# Altium PCB PowerMonitoring.PcbDoc
Units mm, origin at the board's own origin, x right, y up, seen from the top; angles counter-clockwise.
Board outline 65 x 87.98 mm, 2 copper layers (Top Layer, Bottom Layer); 65 components, 40 nets, 198 pads, 54 vias.
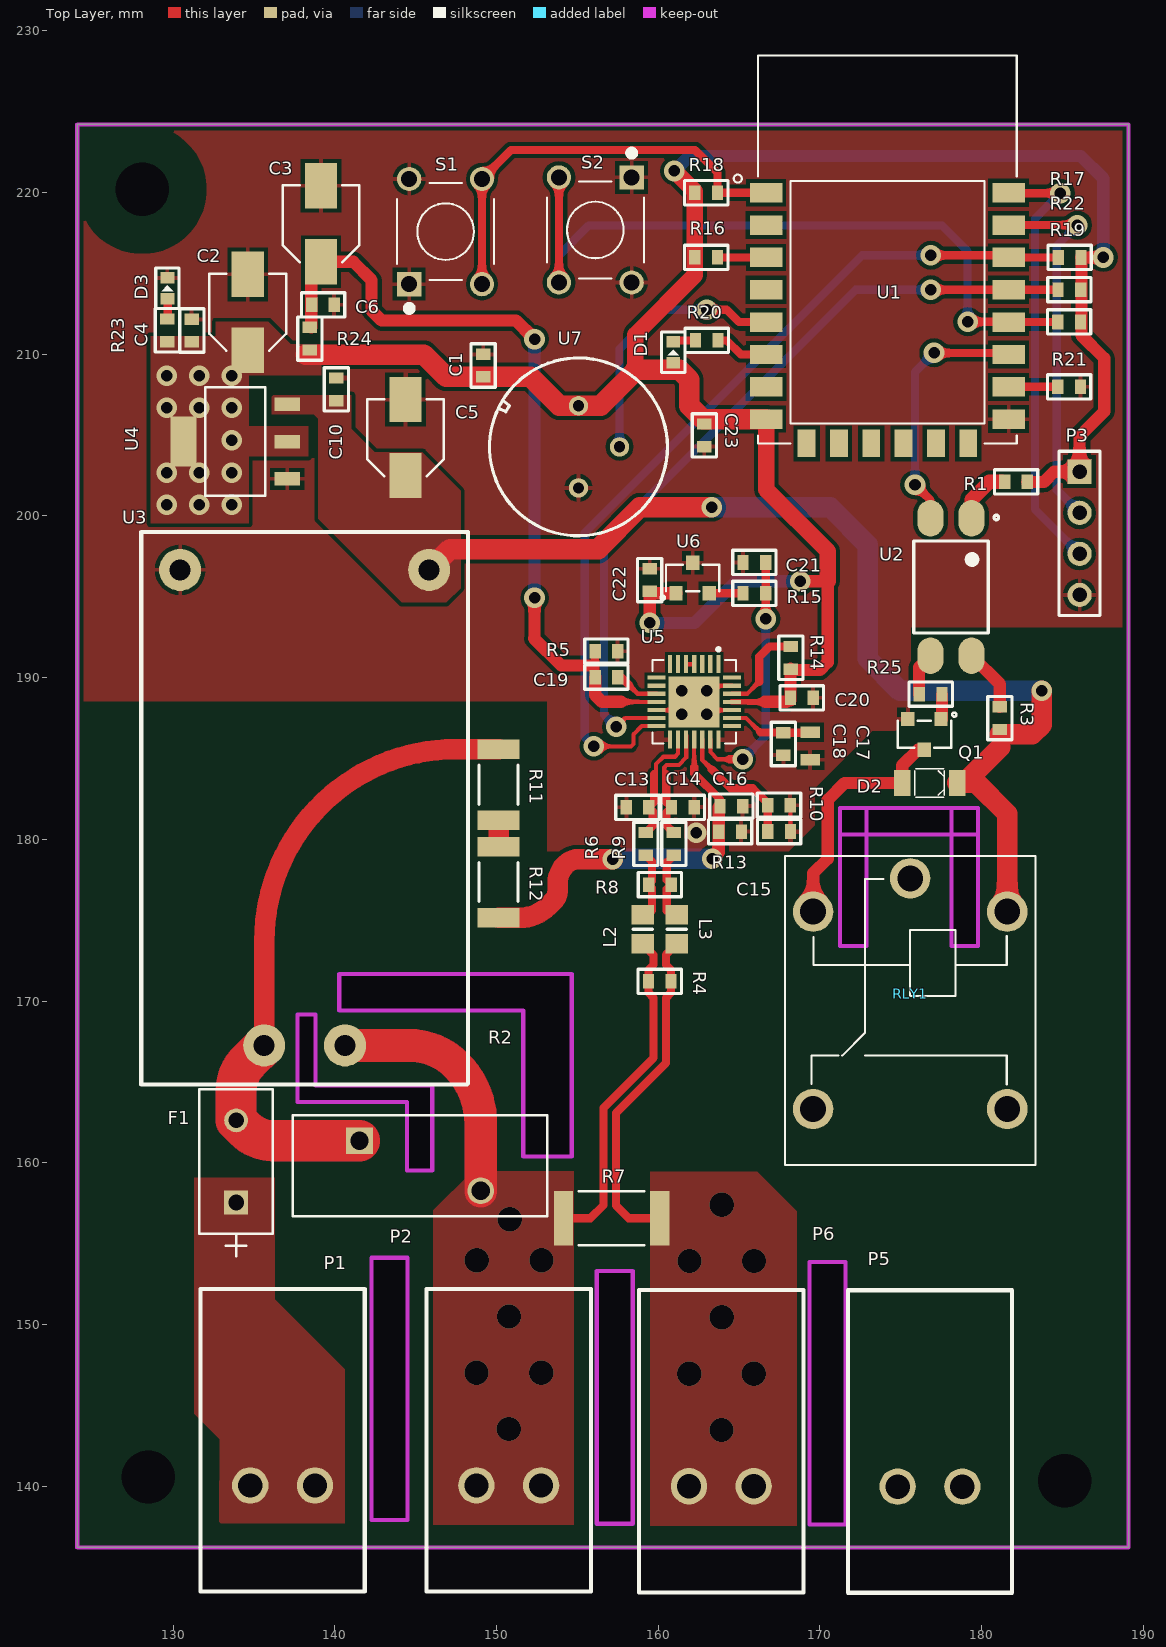
[diagram p0: Top Layer view]
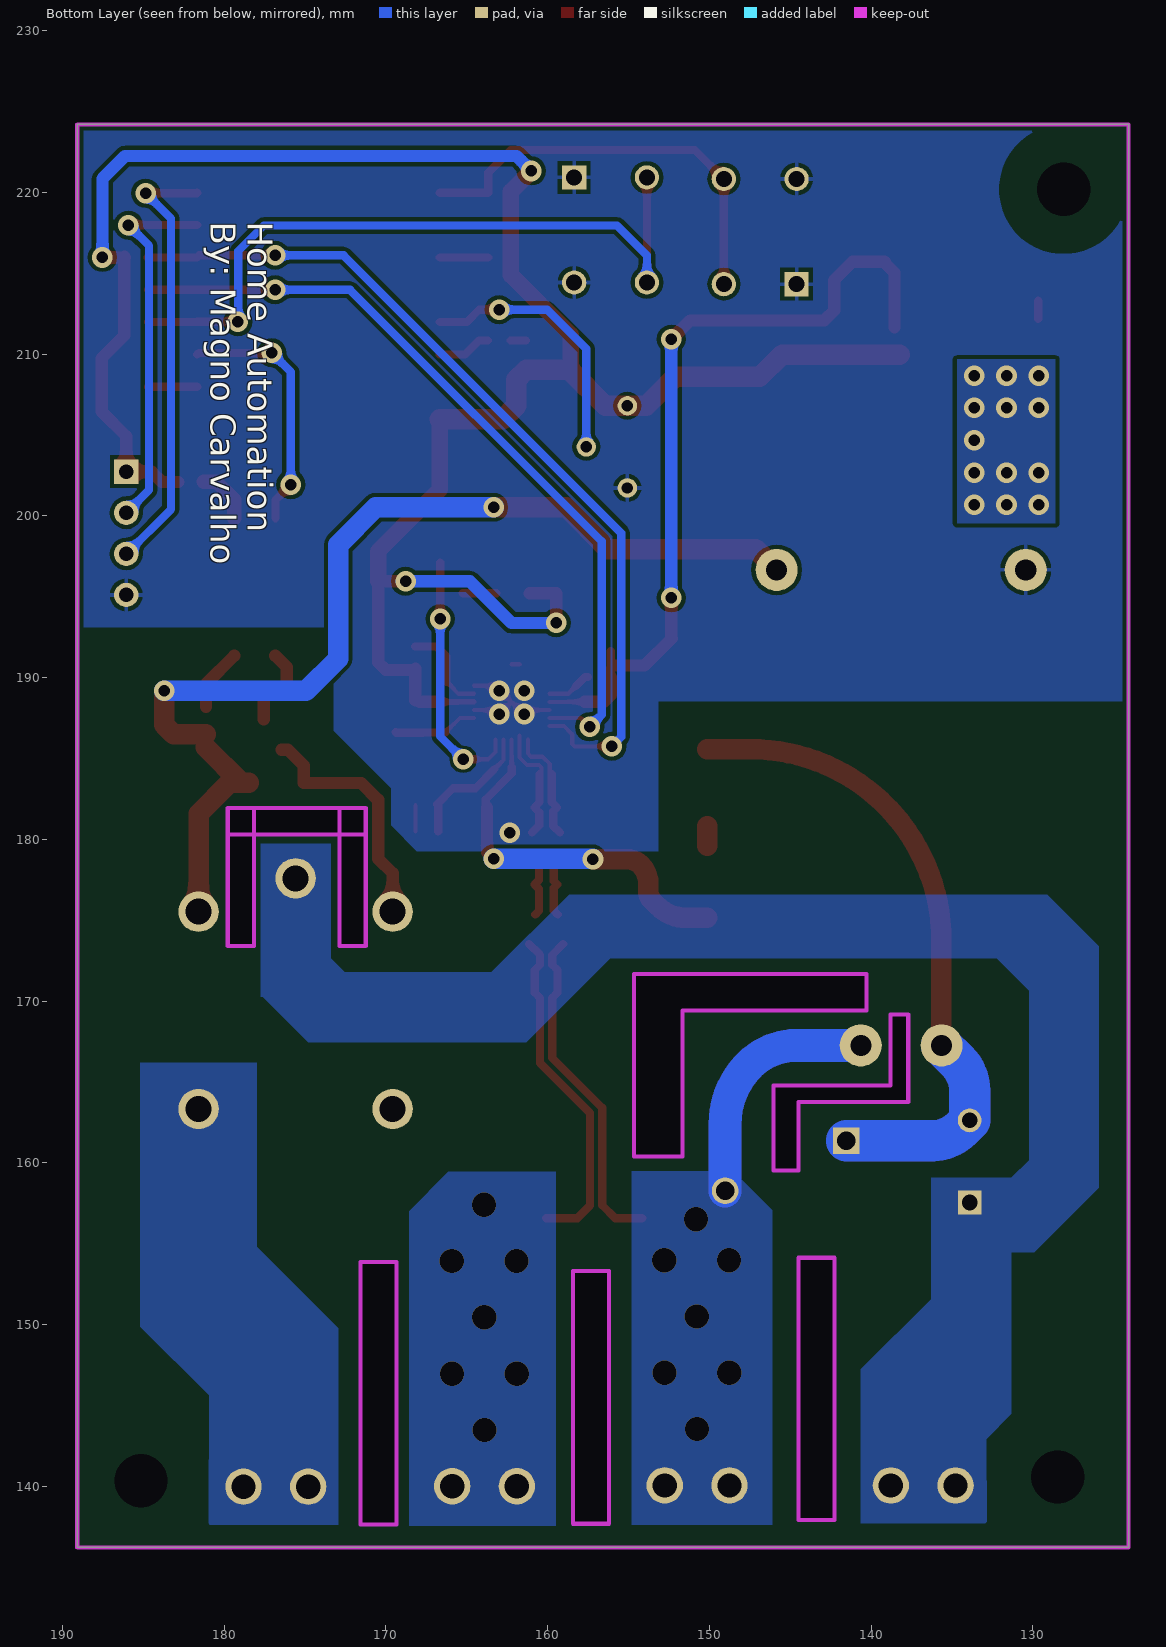
[diagram p1: Bottom Layer view, seen from below]
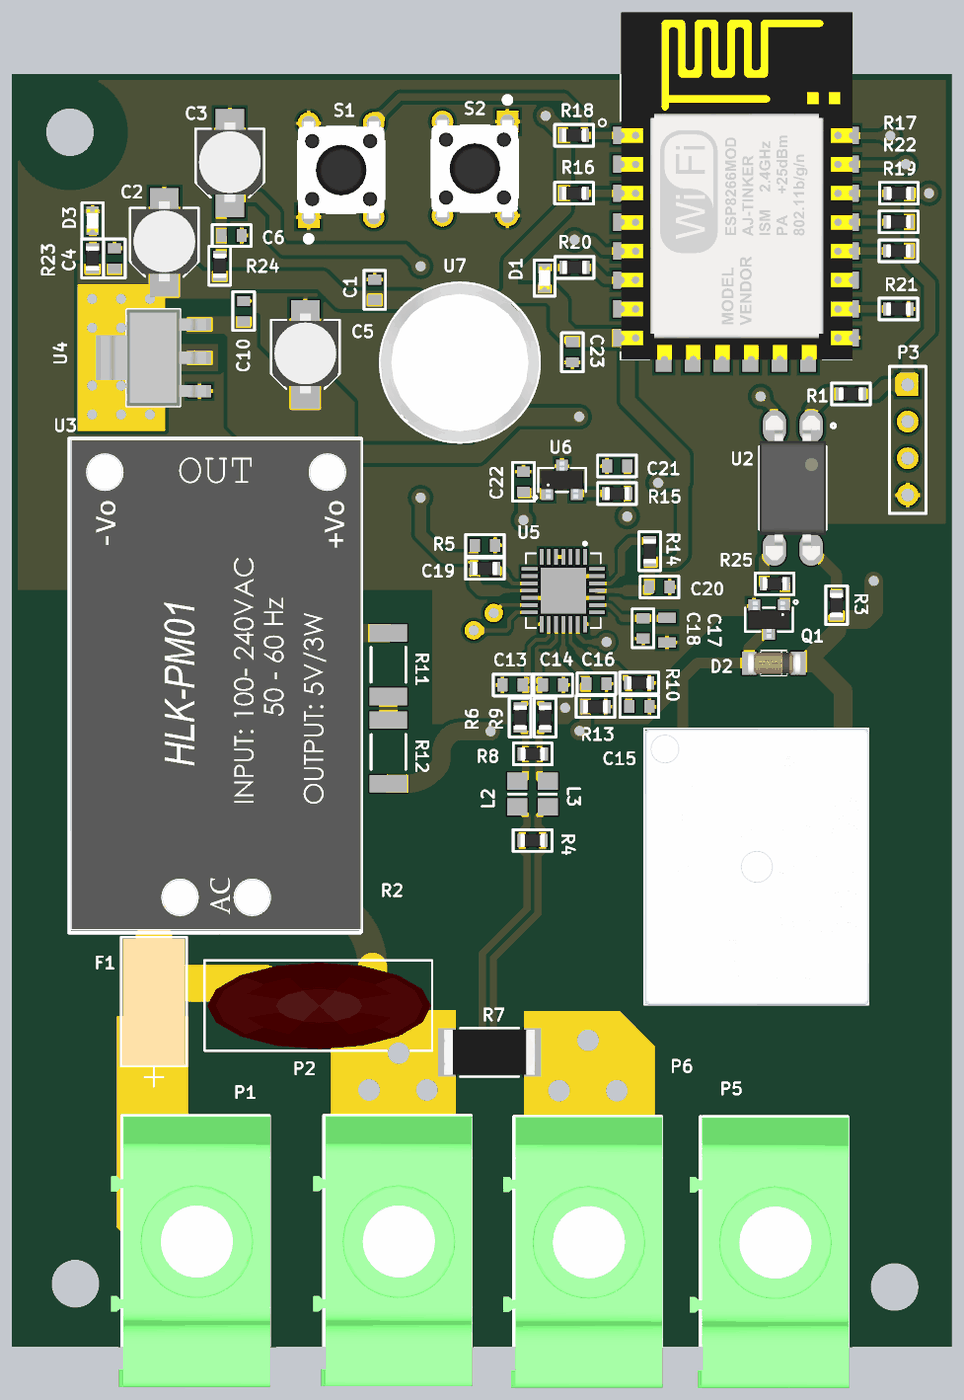
[diagram p2: 3D render of the assembled board from above, using the file's embedded part models]

## Layer stack, top to bottom
Top Solder: solder mask 0.0102, Solder Resist, Dk 3.5
Top Layer: signal copper 0.0356
Dielectric 1: dielectric 0.32, FR-4, Dk 4.8
Bottom Layer: signal copper 0.0356
Bottom Solder: solder mask 0.0102, Solder Resist, Dk 3.5

## Board outline
124.079,136.225 189.079,136.225 189.079,224.206 124.079,224.206
cut-out: 178.141,174.975 178.141,180.459 178.141,181.932 179.773,181.932 179.773,173.4 178.141,173.4
cut-out: 172.873,174.975 172.873,180.459 172.873,181.932 171.241,181.932 171.241,173.4 172.873,173.4
cut-out: 171.566,140.009 171.566,153.859 169.341,153.859 169.341,137.634 171.594,137.634
cut-out: 158.422,140.06 158.422,153.314 156.197,153.314 156.197,137.685 158.45,137.685
cut-out: 144.493,140.283 144.493,154.133 142.268,154.133 142.268,137.908 144.521,137.908
cut-out: 140.275,169.425 151.65,169.425 151.65,160.4 154.65,160.4 154.65,171.675 140.275,171.675
cut-out: 144.475,159.525 146.025,159.525 146.025,164.775 138.8,164.775 138.8,169.175 137.7,169.175 137.7,163.754 144.475,163.754
cut-out: 172.816,180.3 178.3,180.3 179.773,180.3 179.773,181.932 171.241,181.932 171.241,180.3

## Design rules (kind name [scope] priority, off if disabled: settings)
Clearance Clearance_Diff_Neutral [All vs InDifferentialPair('NEUTRAL')] p1: gap=0.2 ignorepadtopadclearanceinfootprint=FALSE
Clearance Clearance_Diff_I [All vs InDifferentialPair('I')] p2: gap=0.2 ignorepadtopadclearanceinfootprint=FALSE
Clearance Clearance_MCP [WithinRoom('MCP39f521')] p3: gap=0.2 ignorepadtopadclearanceinfootprint=FALSE
Clearance [All] p4: gap=0.254 ignorepadtopadclearanceinfootprint=FALSE
DiffPairsRouting [All] p1: maxlimit=0.254 minlimit=0.254 mostfreqgap=0.254 toplayer_minwidth=0.254 toplayer_maxwidth=0.508 toplayer_prefwidth=0.254 bottomlayer_minwidth=0.254 bottomlayer_maxwidth=0.508 bottomlayer_prefwidth=0.254 maxuncoupledlength=12.7
Height [All] p1: minheight=0 maxheight=40 prefheight=12.7
HoleSize [All] p1: absolutevalues=TRUE maxlimit=5 minlimit=0.5 maxpercent=80.000 minpercent=20.000
MinimumSolderMaskSliver [All] p1: minsoldermaskwidth=0.01
PolygonConnect PolygonConnect_Via [All vs IsVia] p1: connectstyle=Direct reliefconductorwidth=0.254 reliefentries=4 polygonreliefangle="90 Angle" airgapwidth=0.254
PolygonConnect PolygonConnect_GND [InNet('AGND')] p2: connectstyle=Relief reliefconductorwidth=0.254 reliefentries=4 polygonreliefangle="90 Angle" airgapwidth=0.254
PolygonConnect [All] p3: connectstyle=Direct reliefconductorwidth=0.254 reliefentries=4 polygonreliefangle="90 Angle" airgapwidth=0.254
RoomDefinition MCP39F521 [False] p1: confinementstyle=ConfineIn formatcopy=TRUE lockcomponents=FALSE outline 158.218,192.675 166.573,192.675 166.573,183.975 158.218,183.975
RoutingVias [All] p1: holewidth=0.711 width=1.27 viastyle="Through Hole" minholewidth=0.711 minwidth=1.27 maxholewidth=1.27 maxwidth=1.778
SilkToSolderMaskClearance [IsPad] p1: minsilkscreentomaskgap=0.1 clearancetoexposedcopper=TRUE
SolderMaskExpansion [All] p1: expansion=0.102
Width [All] p1: maxlimit=25.4 minlimit=0.254 preferedwidth=0.254 minimp=50.000000 maximp=50.000000 favimp=50.000000
25 further rules are at their usual default settings.

## Classes and differential pairs
net class DIFF_NOISE: I_N I_P NEUTRAL_N NEUTRAL_P
component class PowerSupply: C2 C3 C4 C5 C6 C10 D2 F1 P1 P2 P5 P6 Q1 R1 R2 R3 R24 R25 RLY1 U2 U3 U4
component class Meter: C1 C13 C14 C15 C16 C17 C18 C19 C20 C21 C22 L2 L3 R4 R5 R6 R7 R8 R9 R10 R11 R12 R13 R14 R15 U5 U6 U7
component class CoreProcessor: C23 D1 D3 P3 R16 R17 R18 R19 R20 R21 R22 R23 S1 S2 U1
differential pair NEUTRAL: +NEUTRAL_P -NEUTRAL_N
differential pair I: +I_P -I_N

## Components (designator, comment, footprint, x,y, rotation, side; value= is the part's Value field where it differs from the comment)
C1 "MUDAR FOOTPRINT" C0603 149.174,209.296 r270 top value=0.1uF
C2 "Cap Pol1" EEE-1VA100WR 134.62,212.649 r90 top value=10uF
C3 "Cap Pol1" EEE-1VA100WR 139.15,218.125 r90 top value=10uF
C4 "MUDAR FOOTPRINT" C0603 131.165,211.464 r270 top value=0.1uF
C5 "Cap Pol1" EEE-1VA100WR 144.374,204.902 r90 top value=10uF
C6 "MUDAR FOOTPRINT" C0603 139.277,213.05 r180 top value=0.1uF
C10 "MUDAR FOOTPRINT" C0603 140.1,207.825 r270 top value=0.1uF
C13 "MUDAR FOOTPRINT" C0603 158.718,181.975 r0 top value=33nF
C14 "MUDAR FOOTPRINT" C0603 161.518,181.975 r0 top value=33nF
C15 "MUDAR FOOTPRINT" C0603 167.477,180.484 r180 top value=33nF
C16 "MUDAR FOOTPRINT" C0603 164.519,182.056 r180 top value=33nF
C17 "MUDAR FOOTPRINT" C0805 169.395,185.768 r90 top value=10uF
C18 "MUDAR FOOTPRINT" C0603 167.739,185.895 r90 top value=0.1uF
C19 "MUDAR FOOTPRINT" C0603 156.798,191.632 r180 top value=0.1uF
C20 "MUDAR FOOTPRINT" C0603 168.875,188.75 r180 top value=0.1uF
C21 "MUDAR FOOTPRINT" C0603 165.942,197.118 r0 top value=0.1uF
C22 "MUDAR FOOTPRINT" C0603 159.465,196.032 r270 top value=0.1uF
C23 "MUDAR FOOTPRINT" C0603 162.85,204.978 r90 top value=0.1uF
D1 "USER_INTERFACE_LED" LED0603 160.925,210.111 r180 top
D2 "LL4148" LL4148 176.781,183.487 r180 top
D3 "3V3_POWER_LED" LED0603 129.65,214.075 r180 top
F1 "RSTA 1 AMMO" RSTA 133.9,162.625 r90 top
L2 "FERRITE BEAD" 6-0805_N 159.033,174.436 r90 top value=10mH
L3 "FERRITE BEAD" 6-0805_N 161.141,174.436 r90 top value=10mH
P1 "System_Supply_Line" 1993763 131.695,152.19 r0 top
P2 "SYSTEM_NEUTRAL" 1993763 145.676,152.196 r0 top
P3 "PROG_HEADER" HDR1X4 186.05,202.73 r270 top
P5 "CONT_LINE" 1993763 171.723,152.119 r0 top
P6 "LOAD_NEUTRAL" 1993763 158.82,152.145 r0 top
Q1 "MMBT3904" SOT-233 176.45,186.496 r270 top
R1 "Res3" R0603 182.125,202.1 r0 top value=330R
R2 "ERZ-V14D431" VARISTOR 149.022,158.267 r0 top value=V14E275P
R3 "Res3" R0603 181.124,187.496 r90 top value=4K7
R4 "Res3" R0603 160.093,171.225 r0 top value=6R
R5 "Res3" R0603 156.798,190.032 r0 top value=4.7K
R6 "Res3" R0603 159.236,179.719 r270 top value=1K
R7 "SHUNT" RES2512 157.118,156.575 r180 top value=1K
R8 "Res3" R0603 160.105,177.205 r180 top value=2.49R
R9 "Res3" R0603 160.963,179.719 r270 top value=1K
R10 "Res3" R0603 167.464,182.11 r0 top value=1K
R11 "Res3" 12Z-2010 150.125,183.375 r90 top value=499K
R12 "Res3" 12Z-2010 150.125,177.35 r90 top value=499K
R13 "Res3" R0603 164.443,180.483 r0 top value=1K
R14 "Res3" R0603 168.2,191.225 r270 top value=4.7K
R15 "Res3" R0603 165.942,195.214 r0 top value=100R
R16 "Res3" R0603 162.966,215.979 r0 top value=10K
R17 "Res3" R0603 185.433,215.976 r0 top value=2.1K
R18 "Res3" R0603 162.966,219.979 r180 top value=10K
R19 "Res3" R0603 185.408,211.988 r0 top value=10K
R20 "Res3" R0603 163,210.85 r180 top value=470R
R21 "Res3" R0603 185.408,207.975 r0 top value=10K
R22 "Res3" R0603 185.42,213.995 r0 top value=2.1K
R23 "Res3" R0603 129.65,211.475 r270 top value=470R
R24 "Res3" R0603 138.455,210.961 r90 top value=33R
R25 "Res3" R0603 176.847,188.976 r0 top value=1K
RLY1 "SRD-05VDC-SL-C" SRD-05VDC 175.578,169.428 r270 top
S1 "FSM8JH" SW_FSM8JH 146.852,217.578 r90 top
S2 "FSM8JH" SW_FSM8JH 156.108,217.678 r270 top
U1 "ESP-12F" XCVR_ESP8266-12E/ESP-12E 174.168,212.979 r0 top
U2 "PC817" SOT254P975X400-4N 178.102,195.603 r270 top
U3 "HLK-PM01" HLK-PM01 138.136,167.259 r90 top
U4 "LM1117MP-3.3" LM1117 133.858,204.597 r180 top
U5 "MCP39F521" MCP39F521 162.22,188.5 r270 top
U6 "MCP9700T-E/TT" SOT-233 162.132,196.159 r90 top
U7 "EKMC1601111" EKMC1601111 155.067,204.267 r90 top

## Footprints (in the part's own frame and the unit in brackets; to place one, negate y for a bottom-side part, rotate by r counter-clockwise, add the part's x,y. Pads: shape width x height; smd on the part's side, far side on the other; paste and mask are expansions set on the pad)
6-0805_N [mm] "Chip Resistor, Body 2.0x1.2mm, IPC Medium Density"
  rect 1.2x1.4 smd: 1(-0.9,0) 2(0.9,0)
  silkscreen extent 0,-0.6 0,0.6, body extent -1.07,-0.7 1.07,0.7, height 0.7
12Z-2010 [mm] "Chip Resistor, Body 5.0x2.5mm, IPC High Density"
  rect 1.2x2.6 smd: 1(-2.2,0) 2(2.2,0)
  silkscreen extent -1.2,-1.2 1.2,1.2, body extent -2.58,-1.33 2.58,1.33, height 0.9
1993763 [mm]
  round 2.25 hole 1.5: 1(3.08,-12.14) 2(7.08,-12.14)
  silkscreen extent 0,-18.7 10.16,0, body extent -0.76,-18.75 10.25,-0.05, height 31.25
C0603 [mm]
  rect 0.7x0.9 smd: 1(-0.7,0) 2(0.7,0)
  Top Layer pour cut-out: 0.356,-0.711 -0.356,-0.711 -0.356,0.711 0.356,0.711
  silkscreen extent -1.34,-0.75 1.34,0.75, body extent -0.87,-0.47 0.88,0.48, height 1
C0805 [mm]
  rect 0.7x1.2 smd: 1(-0.85,0) 2(0.85,0)
EEE-1VA100WR [mil] "CAP_LM1117"
  rect 110x78 smd: 1(-95,0) 2(90,0)
  silkscreen extent -96,-94 91,94, body extent -108,-88 109,89, height 219
EKMC1601111 [mm]
  round 1.2 hole 0.7: 1(2.54,0) 2(0,-2.54) 3(-2.54,0)
  silkscreen extent -5.5,-5.5 5.5,5.5, body extent -7.77,-7.77 7.77,7.77, height 14.4
HDR1X4 [mm] "Connector; Header; 4 Position"
  rect 1.5x1.5 hole 0.9: 1(0,0)
  round 1.5 hole 0.9: 2(2.54,0) 3(5.08,0) 4(7.62,0)
  silkscreen extent -1.27,-1.27 8.89,1.27
HLK-PM01 [mm] "5V/3W POWER SUPPLY"
  round 2.6 hole 1.3: 1(0,2.5) 2(0,-2.5) 3(29.4,7.7) 4(29.4,-7.7)
  silkscreen extent -2.41,-10.1 31.75,10.1, body extent -2.27,-10.17 31.73,10.03, height 15.12
LED0603 [mm]
  rect 0.85x0.7 smd mask+0.05: 1(0,-0.65) 2(0,0.65)
  Top Layer pour cut-out: 0.711,0.356 0.711,-0.356 -0.711,-0.356 -0.711,0.356
  silkscreen extent -0.72,-2.15 0.92,1.25, body extent -0.39,-0.8 0.39,0.8, height 0.7
LL4148 [mil]
  rect 40x63 smd: 1(67,0) 2(-67,0)
  silkscreen extent -36,-35 36,35, body extent -74,-31 72,32, height 63
LM1117 [mil] "SOT230P696X180-4N"
  rect 63x33 smd: 1(-126,91) 2(-126,0) 3(-126,-91)
  rect 63x122 smd: 4(126,0)
  silkscreen extent -73,-132 73,132, body extent -144,-132 144,132, height 67
MCP39F521 [mm] "QFN50P500X500X100-29N"
  rect 1.11x0.26 smd: 1(-2.33,1.5) 2(-2.33,1) 3(-2.33,0.5) 4(-2.33,0) 5(-2.33,-0.5) 6(-2.33,-1) 7(-2.33,-1.5) 15(2.33,-1.5) 16(2.33,-1) 17(2.33,-0.5) 18(2.33,0) 19(2.33,0.5) 20(2.33,1) 21(2.33,1.5)
  rect 0.26x1.11 smd: 8(-1.5,-2.33) 9(-1,-2.33) 10(-0.5,-2.33) 11(0,-2.33) 12(0.5,-2.33) 13(1,-2.33) 14(1.5,-2.33) 22(1.5,2.33) 23(1,2.33) 24(0.5,2.33) 25(0,2.33) 26(-0.5,2.33) 27(-1,2.33) 28(-1.5,2.33)
  rect 3.15x3.15 smd: 29(0,0)
  silkscreen extent -3.35,-2.58 2.58,2.58, body extent -2.58,-2.58 2.58,2.58, height 0.9
R0603 [mm]
  rect 0.7x0.9 smd: 1(-0.7,0) 2(0.7,0)
  Top Layer pour cut-out: -0.356,0.711 0.356,0.711 0.356,-0.711 -0.356,-0.711
  silkscreen extent -1.34,-0.75 1.34,0.75, body extent -0.85,-0.47 0.85,0.47, height 0.6
RES2512 [mil]
  rect 47x132 smd: 1(-117,0) 2(117,0)
  silkscreen extent -80,-66 80,66, body extent -124,-61 124,61, height 22
RSTA [mil]
  rect 58x58 hole 38 mask-1000: 1(-200,0)
  round 58 hole 38 mask-1000: 2(0,0)
  silkscreen extent -330,-90 76,90, body extent -271,-84 71,84, height 319
SOT254P975X400-4N [mm]
  oval 2.25x1.6 smd: 1(-4.25,1.27) 2(-4.25,-1.27) 3(4.25,-1.27) 4(4.25,1.27)
  silkscreen extent -4.44,-2.3 2.85,2.94, body extent -5,-2.29 5,2.29, height 3.83
SOT-233 [mil] "SOT95P237X112-3N"
  rect 35x32 smd: 1(-37.21,40.35) 2(-37.21,-40.35) 3(37.2,0)
  silkscreen extent -53,-65 33,78, body extent -51,-57 51,57, height 39
SRD-05VDC [mm]
  round 2.5 hole 1.6: 1(-6.1,6) 2(-8.162,0) 3(-6.1,-6) 4(6.1,6) 5(6.1,-6)
  silkscreen extent -9.55,-7.75 9.55,7.75, body extent -9.52,-7.71 9.58,7.79, height 15.4
SW_FSM8JH [mm]
  rect 1.498x1.498 hole 0.99: 1(-3.25,2.25)
  round 1.498 hole 0.99: 2(3.25,2.25) 3(-3.25,-2.25) 4(3.25,-2.25)
  silkscreen extent -4.95,-3 3,3, body extent -3.9,-2.99 3.9,3, height 9.5
VARISTOR [mil] "RES_ERZV14_155X6"
  rect 65x65 hole 45 mask-1000: 1(-295,122)
  round 65 hole 45 mask-1000: 2(0,0)
  silkscreen extent -458,-62 162,184, body extent -450,-58 160,178, height 728
XCVR_ESP8266-12E/ESP-12E [mm]
  rect 2x1.2 smd: 1(-7.5,7) 2(-7.5,5) 3(-7.5,3) 4(-7.5,1) 5(-7.5,-1) 6(-7.5,-3) 7(-7.5,-5) 8(-7.5,-7) 15(7.5,-7) 16(7.5,-5) 17(7.5,-3) 18(7.5,-1) 19(7.5,1) 20(7.5,3) 21(7.5,5) 22(7.5,7)
  rect 1.1x1.7 smd: 9(-5,-8.5) 10(-3,-8.5) 11(-1,-8.5) 12(1,-8.5) 13(3,-8.5) 14(5,-8.5)
  silkscreen extent -9.5,-8.5 8,15.5, body extent -7.95,-8.51 8.06,15.49, height 2.65

## Part data
C1 C4 C6 C10 C13 C14 C15 C16 C17 C18 C19 C20 C21 C22 C23: library part "Cap Semi", "Capacitor (Semiconductor SIM Model)", LatestRevisionDate=29-May-2009, LatestRevisionNote="IPC-7351 Footprint Added.", PackageDescription="Chip Capacitor", PackageReference=C1206, Published=8-Jun-2000, Publisher="Altium Limited"
C2 C3 C5: "Polarized Capacitor (Radial)", LatestRevisionDate=17-Jul-2002, LatestRevisionNote="Re-released for DXP Platform.", PackageDescription="Polarized Capacitor (Radial); 2 Leads", PackageReference=RB7.6-15, Published=8-Jun-2000, Publisher="Altium Limited"
D1 D3: library part LED0, "Typical INFRARED GaAs LED", LatestRevisionDate=08-Jul-2005, LatestRevisionNote="Mech Layer 1 removed.", PackageDescription="LED; 2 Leads", PackageReference=LED-0, Published=8-Jun-2000, Publisher="Altium Limited"
D2: library part Diode, "Default Diode", Code_JEDEC=DO-214-AB, LatestRevisionDate=17-Jul-2002, LatestRevisionNote="Re-released for DXP Platform.", PackageDescription="DO-214-AB/SMC; 2 C-Bend Leads; Body 7.9 x 5.9 mm, inc. leads (LxW)", PackageReference=SMC, PackageVersion=Sep-1996, Published=8-Jun-2000, Publisher="Altium Limited"
L2 L3: library part "Inductor Iron", "Magnetic-Core Inductor", Supplier Part Number 1=240-2384-6-ND, LatestRevisionDate=17-Jul-2002, LatestRevisionNote="Re-released for DXP Platform.", PackageDescription="Axial Device, Thru-Hole; 2 Leads; 0.9 in Pin Spacing", PackageReference=AXIAL-0.9, Published=24-Mar-1999, Publisher="Altium Limited", Supplier 1=Digi-Key
P1 P2 P5 P6: library part "Header 2", "Header, 2-Pin", LatestRevisionDate=17-Jul-2002, LatestRevisionNote="Re-released for DXP Platform.", Publisher="Altium Limited"
P3: library part "Header 4", "Header, 4-Pin", LatestRevisionDate=17-Jul-2002, LatestRevisionNote="Re-released for DXP Platform.", Publisher="Altium Limited"
Q1: library part NPN, "NPN Bipolar Transistor", Code_JEDEC=TO-226-AA, LatestRevisionDate=17-Jul-2002, LatestRevisionNote="Re-released for DXP Platform.", PackageDescription="TO, Flat Index; 3 In-Line, Axial Leads; Body Dia. 4.8mm; Leads 0.55 x 0.51 mm (max)", PackageReference=TO-226-AA, Published=8-Jun-2000, Publisher="Altium Limited"
R1 R3 R4 R5 R6 R8 R9 R10 R11 R12 R13 R14 R15 R16 R17 R18 R19 R20 R21 R22 R23 R24 R25: "Resistor", LatestRevisionDate=29-May-2009, LatestRevisionNote="IPC-7351 Footprint Added.", PackageDescription="Chip Resistor", PackageReference=J1-0603, Published=8-Jun-2000, Publisher="Altium Limited"
R7: library part Res3, "Resistor", Supplier Part Number 1=CSNL2512FT2L00DKR-ND, LatestRevisionDate=29-May-2009, LatestRevisionNote="IPC-7351 Footprint Added.", PackageDescription="Chip Resistor", PackageReference=J1-0603, Published=8-Jun-2000, Publisher="Altium Limited", Supplier 1=Digi-Key
RLY1: "5V Trigger Relay Module For Arduino And Raspberry Pi 5V Trigger Relay Module For Arduino And Raspberry Pi", Package=None, Availability=Unavailable, MF="MCM Electronics", MP=SRD-05VDC-SL-C, Price=None, SnapEDA_Link=https://www.snapeda.com/parts/SRD-05VDC-SL-C/MCM%20Electronics/view-part/?ref=snap
S1 S2: library part BUTTON, "Switch, Pushbutton, Tactile, SPST, Thru Hole, Vertical, 6MM, Black", Package=None, Availability=Good, MF="TE Connectivity / Alcoswitch", MP=FSM8JH, Price="0.07 USD", SnapEDA_Link=https://www.snapeda.com/parts/FSM8JH/TE%2520Connectivity%2520/%2520Alcoswitch/view-part/?ref=snap
U2: library part Optoisolator1, "4-Pin Phototransistor Optocoupler", DatasheetVersion=Nov-2003, LatestRevisionDate=04-Mar-2005, LatestRevisionNote="Sch pins 3 & 4 Swapped.", PackageReference=DIP-4, Published=24-Mar-1999, Publisher="Altium Limited"
U4: "LDO Regulator Pos 3.3V 0.8A 4-Pin_3+Tab_ SOT-223 T/R", Package="SOT-223 Texas Instruments", Availability=Good, MF="Texas Instruments", MP=LM1117MP-3.3, Price="0.62 USD", SnapEDA_Link=https://www.snapeda.com/parts/LM1117MP-3.3/Texas%20Instruments/view-part/?ref=snap
U5: Supplier Part Number 1=MCP39F521-E/MQ-ND, Supplier 1=Digi-Key
U6: "MCP9700 Series 5 V -40 to +125°C Low-Power Linear Active Thermistor", Package="SOT-23-3 Microchip", Availability=Unavailable, MF=Microchip, MP=MCP9700T-E/TT, Price=None, SnapEDA_Link=https://www.snapeda.com/parts/MCP9700T-E/TT/Microchip/view-part/?ref=snap
U7: "Board Mount Motion & Position Sensors Digital 170uA 5m White", Manufacturer_Name=Panasonic, RS Part Number=1357095, Arrow Part Number=EKMC1601111, Arrow Price/Stock=https://www.arrow.com/en/products/ekmc1601111/panasonic, Datasheet Link=http://www3.panasonic.biz/ac/e/search_num/index.jsp?c=detail&part_no=EKMC1601111, Manufacturer_Part_Number=EKMC1601111, RS Price/Stock=http://uk.rs-online.com/web/p/products/1357095
F1: Built_By=EMA_UL_Team, Manufacturer_Part_Number="RSTA 1 AMMO", Vendor=BelFuse
R2: Built_By=EMA_UL_Team, C="Copyright (C) 2015 Accelerated Designs. All rights reserved", Manufacturer_Part_Number=ERZ-V14D431, Vendor=Panasonic

## Free pads (board coordinates)
  round 3 hole 3.3 unplated: M3(128.092,220.193) M3(128.468,140.575) M3(185.143,140.35)

## Via types
v1: diameter 1.27, hole 0.711, Top Layer to Bottom Layer, tented both sides, 38 vias
v2: diameter 1.5, hole 1.5, Top Layer to Bottom Layer, 14 vias
v3: diameter 1.27, hole 0.711, Top Layer to Bottom Layer, 2 vias

## Nets (pads, with @x,y where several pads share a name; then routed paths per layer and width w, separated by ;. In a path a pad name is that pad's centre, name@x,y a point inside that pad or via, vN(x,y) a via of type N, cw(c..) or ccw(c..) an arc to the next point about the centre after c; other vN are vias at no path point)
+3.3: C1.2 C2.1 C4.2 C20.2 C22.2 C23.2 D1.2 P3.1 R1.2 R14.2 R16.1 R17.2 R18.2 R19.2 R22.2 R23.2 R24.1 U1.8 U4.2 U4.4 U5.25 U6.1 U7.1 | length 142.1
  Top Layer w0.33: U5.25 166.6,188.5
  Top Layer w0.508: 170.45,195.95 170.475,195.975
  Top Layer w0.762: v1(159.465,193.381) 159.465,195.214 U6.1 ; R18.2 R18.2@162.266,220.059 ; 166.6,188.5 167.925,188.5 C20.2 ; C20.2@168.182,188.588 R14.2@168.182,190.544 ; R14.2@168.2,190.475 170,190.475 170.475,190.95 170.475,195.975 ; v1(168.782,195.95) 170.45,195.95 ; R1.2 183.85,202.1 184.48,202.73 P3.1@186,202.73 ; P3.1 186.05,204.925 187.575,206.45 187.575,209.75 186.175,211.15 186.175,213.995 R17.2@186.175,215.976 ; R17.2 R17.2@186.175,215.976 ; R17.2@186.175,216.025 R17.2@186.175,215.976 ; v1(187.522,215.976) R17.2@186.175,215.976
  Top Layer w1.016: 158.575,209.038 158.575,211.2 162.266,214.891 R16.1 R18.2 ; v1(161,221.325) R18.2@162.266,220.059 ; U1.8 166.668,201.632 170.475,197.825 170.475,195.975
  Top Layer w1.27: R24.1@138.219,209.975 145.5,209.975 146.879,208.596 C1.2 152.104,208.596 153.893,206.807 U7.1 156.432,206.807 158.65,209.025 161.2,209.025 ; 158.575,209.038 161.315,209.038 161.925,208.429 161.925,206.825 162.771,205.979 U1.8
  Bottom Layer w0.762: v1(159.465,193.381) 162.231,193.381 164.8,195.95 v1(168.782,195.95) v1@169.025,195.95 ; v1(161,221.325) 161.925,222.25 186.125,222.25 187.522,220.853 v1(187.522,215.976)
  other v1: 129.625,200.675 131.625,200.675 133.625,200.675 129.625,202.675 131.625,202.675 133.625,202.675 133.625,204.675 129.625,206.675 131.625,206.675 133.625,206.675 129.625,208.675 131.625,208.675 133.625,208.675
+3.3A: C3.1 C6.2 C19.2 R5.1 R24.2 U5.11 | length 50.4
  Top Layer w0.254: 157.693,188.5 U5.11
  Top Layer w0.508: R5.1 C19.2
  Top Layer w0.762: C6.2@138.55,212.7 138.55,215.029 C3.1@139.233,215.712 ; R24.2@138.555,211.661 C6.2@138.555,213 ; C3.1 C3.1@139.233,215.712 ; v1(152.35,194.925) 152.35,192.45 152.325,192.425 154,190.75 155.925,190.75 ; v1(152.35,210.925) 151.2,212.075 142.9,212.075 142.275,212.7 142.275,214.575 141.138,215.712 C3.1@139.233,215.712 ; R5.1 156.098,188.927 156.525,188.5 157.693,188.5
  Bottom Layer w0.762: v1(152.35,194.925) v1(152.35,210.925)
+5: C5.1 C10.2 D2.2 R3.1 RLY1.1 U3.4 U4.3 | length 66.3
  Top Layer w1.27: U3.4 147.127,197.95 156.281,197.95 158.856,200.525 v1(163.316,200.525) ; D2.2 D2.2@178.93,183.487 ; R3.1@181.124,186.5 183.125,186.5 183.7,187.075 v1(183.7,189.175) ; 181.143,185.7 D2.2@178.93,183.487 ; RLY1.1 181.578,181.59 179.681,183.487 D2.2@178.93,183.487
  Bottom Layer w1.27: v1(163.316,200.525) 170.625,200.525 172.95,198.2 172.95,191.175 174.95,189.175 v1(183.7,189.175)
AGND: C1.1 C2.2 C3.2 C4.1 C5.2 C6.1 C10.1 C13.1 C14.2 C15.1 C16.1 C17.1 C18.1 C19.1 C20.1 C21.1 C22.1 C23.1 D3.1 P3.4 Q1.2 R10.2 R13.2 R21.2 S1.1 S1.2 S2.1 S2.2 U1.15 U3.3 U4.1 U5.12 U5.15 U5.21 U5.24 U5.27 U5.29 U6.3 U7.3 | length 9.5
  Top Layer w0.254: U5.12 161.72,188 U5.29 ; U5.24 162.72,188 U5.29 ; U5.27 163.22,189.5 U5.29 ; R10.2 168.177,182.11 C15.1
  other v1: 162.35,180.4 161.45,187.75 163,187.75 161.45,189.2 163,189.2
CH_EN: R16.2 U1.3 | length 3
  Top Layer w0.508: R16.2 U1.3
COMMON_A: U5.4 U5.5 | length 0.5
  Top Layer w0.254: U5.5 U5.4
Contactor_Control_Line: P5.1 P5.2 RLY1.4
I_N: C14.1 R9.1 U5.17 | length 7.5
  Top Layer w0.254: 160.499,184.025 160.372,184.152 160.372,184.45 160.522,184.6 161.278,184.6 161.728,185.05 U5.17@161.728,186.42
  Top Layer w0.508: 160.499,184.025 160.499,182.294 C14.1 160.518,181.675 160.518,180.865 R9.1
I_P: C13.2 R6.1 U5.16 | length 7.2
  Top Layer w0.254: 159.737,184.025 159.864,184.152 159.864,184.66 160.311,185.108 161.028,185.108 161.22,185.3 U5.16
  Top Layer w0.508: R6.1 159.655,180.838 159.655,181.737 C13.2 159.737,182.294 159.737,184.025
MOTION_SENS: U1.5 U7.2 | length 16.4
  Top Layer w0.508: v1(163,212.75) 164.225,212.75 164.996,211.979 U1.5
  Bottom Layer w0.508: U7.2 157.607,210.332 160.025,212.75 v1(163,212.75)
NetC15_2: C15.2 R10.1 U5.19 | length 8.1
  Top Layer w0.254: U5.19 162.72,184.905 163.313,184.313
  Top Layer w0.508: 163.313,184.313 164.465,183.16 165.84,183.16 166.816,182.185 R10.1@166.816,182.161 ; R10.1 166.764,180.484 C15.2
NetC16_2: C16.2 R12.1 R13.1 U5.18 | length 23.5
  Top Layer w0.254: 162.22,184.48 U5.18
  Top Layer w0.508: 162.22,184.48 162.22,184.08 163.819,182.481 C16.2
  Top Layer w0.762: v1(163.343,178.8) 163.743,179.2 R13.1 C16.2@163.743,181.98
  Top Layer w1.27: R12.1 151.423,175.15 ccw(c151.423,177.69) 153.219,175.894 153.524,176.199 ccw(c152.919,176.805) 153.775,176.805 153.775,177.278 cw(c155.397,177.278) 154.25,178.425 cw(c155.095,177.58) 155.095,178.775 v1(157.193,178.775)
  Bottom Layer w0.508: v1(157.193,178.775) v1@157.218,178.8
  Bottom Layer w1.27: v1@157.218,178.8 v1(163.343,178.8)
NetC17_2: C17.2 C18.2 U5.23 | length 5.2
  Top Layer w0.254: U5.23 165.425,187.5 166.325,186.6
  Top Layer w0.508: 166.325,186.6 167.734,186.6 C18.2 169.373,186.595 C17.2
NetD1_1: D1.1 R20.2 | length 1
  Top Layer w0.508: D1.1@161.329,210.85 R20.2
NetD2_1: D2.1 Q1.3 RLY1.3 | length 15.2
  Top Layer w0.762: RLY1.3 169.578,177.903 170.479,178.804 170.479,182.442 171.524,183.487 D2.1 175.079,184.561 176.06,185.542 Q1.3@176.45,185.542
NetD3_2: D3.2 R23.1 | length 1.1
  Top Layer w0.508: R23.1@129.669,212.189 D3.2@129.669,213.303
NetF1_2: F1.2 R2.1 R11.2 U3.1 | length 54.3
  Top Layer w1.27: U3.1 135.647,167.27 135.647,173.741 cw(c147.481,173.741) 147.5,185.575 R11.2
  Top Layer w2.54: U3.1 134.644,166.267 ccw(c136.44,164.471) 133.9,164.471 F1.2 134.415,162.11 ccw(c136.211,163.906) 136.211,161.366 R2.1
  Bottom Layer w2.54: U3.1 134.644,166.267 ccw(c136.44,164.471) 133.9,164.471 F1.2 134.415,162.11 ccw(c136.211,163.906) 136.211,161.366 R2.1
NetL2_2: L2.2 R6.2 R8.2 | length 4.1
  Top Layer w0.508: R6.2 159.618,178.638 159.618,177.417 R8.2 159.618,176.992 159.618,175.594 L2.2@159.374,175.351
NetL3_2: L3.2 R8.1 R9.2 | length 4.2
  Top Layer w0.508: L3.2@160.76,175.351 160.526,175.585 160.526,176.925 R8.1 160.526,177.484 160.526,178.582 R9.2
NetQ1_1: Q1.1 R25.2 | length 1.5
  Top Layer w0.762: Q1.1@177.547,187.432 R25.2
NetR1_1: R1.1 U2.1 | length 3.5
  Top Layer w0.889: U2.1 179.372,201.004 180.468,202.1 R1.1@181.25,202.1
NetR3_2: R3.2 U2.4 | length 3.9
  Top Layer w0.762: U2.4 181.124,189.6 R3.2
NetR5_2: R5.2 U5.10 | length 2.8
  Top Layer w0.254: 158.225,189.5 158.725,189 U5.10
  Top Layer w0.508: R5.2 157.693,190.032 158.225,189.5
NetR11_1: R11.1 R12.2 | length 1.2
  Top Layer w1.27: R12.2@150.125,179.6 R11.1@150.125,180.8
NetR14_1: R14.1 U5.26 | length 5.8
  Top Layer w0.254: U5.26 165.5,189 166.25,189.75
  Top Layer w0.508: 166.25,189.75 166.25,191.3 166.875,191.925 R14.1
NetR15_1: R15.1 U6.2 | length 2.1
  Top Layer w0.508: U6.2 R15.1
NetR21_1: R21.1 U1.16 | length 3
  Top Layer w0.508: U1.16 184.704,207.979 R21.1
NetR25_1: R25.1 U2.3 | length 2.7
  Top Layer w0.762: R25.1@176.118,188.95 176.118,190.639 U2.3
NEUTRAL_N: L3.1 P6.1 P6.2 R4.2 R7.1 | length 21
  Top Layer w0.508: R7.1 158.159,156.575 157.382,157.353 157.382,163.086 160.474,166.178 160.474,170.202 160.793,170.521 160.793,171.929 160.474,172.248 160.474,172.869 L3.1
  other v2: 163.906,143.485 161.913,146.964 165.913,146.964 163.919,150.444 161.926,153.924 165.926,153.924 163.933,157.404
NEUTRAL_P: L2.1 P2.1 P2.2 R2.2 R4.1 R7.2 U3.2 | length 51.6
  Top Layer w0.508: R7.2 155.818,156.575 156.62,157.377 156.62,163.402 159.712,166.494 159.712,170.202 159.393,170.521 159.393,171.929 159.712,172.248 159.712,172.857 L2.1
  Top Layer w2.032: U3.2 144.6,167.259 cw(c144.6,163.115) 147.53,166.045 cw(c143.928,162.443) 149.022,162.443 R2.2
  Bottom Layer w2.032: U3.2 144.6,167.259 cw(c144.6,163.115) 147.53,166.045 cw(c143.928,162.443) 149.022,162.443 R2.2
  other v2: 150.762,143.535 148.769,147.015 152.769,147.015 150.775,150.495 148.782,153.975 152.782,153.975 150.825,156.515
PROG: R19.1 S2.3 S2.4 U1.18 | length 44.9
  Top Layer w0.508: S2.4 S2.3 ; v1(179.15,212) 181.647,212 U1.18 184.699,211.979 R19.1
  Bottom Layer w0.508: S2.4 153.858,216.108 155.7,217.95 177.55,217.95 179.125,216.375 179.125,211.975 v1(179.15,212)
PROG_RX: P3.2 U1.21 | length 23.2
  Top Layer w0.508: U1.21 v1(185.921,217.979)
  Bottom Layer w0.508: v1(185.921,217.979) 184.646,216.704 184.646,201.594 P3.2
PROG_TX: P3.3 U1.22 | length 27.3
  Top Layer w0.508: U1.22 181.697,219.95 v1(184.85,219.95)
  Bottom Layer w0.508: v1(184.85,219.95) 183.292,218.392 183.292,200.408 P3.3
RELAY_GPIO: U1.17 U2.2 | length 15.8
  Top Layer w0.508: v1(175.875,201.925) 176.832,200.968 U2.2 ; v1(177.05,210.075) 181.572,210.075 U1.17
  Bottom Layer w0.508: v1(175.875,201.925) 175.875,208.9 v1(177.05,210.075)
RST: R18.1 S1.3 S1.4 U1.1 | length 26.6
  Top Layer w0.508: S1.3 S1.4 150.902,222.628 162.272,222.628 163.666,221.234 R18.1 U1.1
SCL: R22.1 U1.19 U5.13 | length 49
  Top Layer w0.254: v3(157.407,186.95) 157.957,187.5 U5.13 ; R22.1@184.704,213.979 R22.1
  Top Layer w0.508: v1(176.85,213.979) U1.19 R22.1@184.704,213.979
  Bottom Layer w0.508: v3(157.407,186.95) 156.65,187.707 156.65,198.425 172.204,213.979 v1(176.85,213.979)
SDA: R17.1 U1.20 U5.14 | length 54.7
  Top Layer w0.254: v3(156.025,185.75) 158.325,185.75 158.475,185.9 158.475,186.496 158.979,187 U5.14
  Top Layer w0.508: v1(176.85,216.108) 181.538,216.108 U1.20 184.731,215.979 R17.1
  Bottom Layer w0.508: v3@156.114,185.661 v3(156.025,185.75) 155.45,186.325 155.45,198.95 172.608,216.108 v1(176.85,216.108)
System_Supply_Line: F1.1 P1.1 P1.2 RLY1.2
TEMP_SENS: C21.2 R15.2 U5.20 | length 15.7
  Top Layer w0.254: U5.20 163.22,185.405 163.675,184.95 164.411,184.95
  Top Layer w0.508: 164.411,184.95 v1(165.217,184.95) ; v1(166.642,193.625) R15.2 C21.2
  Bottom Layer w0.508: v1(165.217,184.95) 166.642,186.375 v1(166.642,193.625)
UI_LED: R20.1 U1.6 | length 3.3
  Top Layer w0.508: R20.1 164.236,210.85 165.107,209.979 U1.6
pads on no net: RLY1.5 U1.2 U1.4 U1.7 U1.9 U1.10 U1.11 U1.12 U1.13 U1.14 U5.1 U5.2 U5.3 U5.6 U5.7 U5.8 U5.9 U5.22 U5.28

## Polygon pours and split planes (outlines as drawn)
System_Supply_Line on Top Layer " " (solid, pour order 152): 132.853,137.705 132.875,142.918 131.318,144.475 131.318,159.072 136.286,159.072 136.286,151.572 140.629,147.229 140.629,137.705
NEUTRAL_P on Top Layer " " (solid, pour order 144): 154.788,137.617 154.788,159.487 148.522,159.487 146.101,157.065 146.101,137.617
NEUTRAL_N on Top Layer " " (solid, pour order 142): 159.505,137.566 159.505,159.436 166.133,159.436 168.554,157.014 168.554,137.566
no net on Top Layer " " (solid, pour order 130): 169.075,139.514
no net on Top Layer " " (solid, pour order 128): 169.075,139.514
no net on Top Layer " " (solid, pour order 126): 155.931,139.564
no net on Top Layer " " (solid, pour order 124): 155.931,139.564
AGND on Top Layer "Top Layer-AGND" (solid, remove dead copper, pour order 112): 124.079,224.206 124.079,188.55 153.15,188.55 153.15,179.275 168.075,179.275 169.675,180.875 169.675,183.175 173.225,186.725 173.225,193.125 189.079,193.125 189.079,224.206
AGND on Top Layer "Top Layer-AGND 1" (solid, remove dead copper, pour order 110): 173.225,186.725 175.625,186.725 175.625,193.125 173.225,193.125
+5 on Top Layer " " (solid, remove dead copper, pour order 106): 138.7,206.275 138.975,206 138.975,199.825 144.15,194.65 146.9,194.65 147.775,195.525 147.775,201.55 145.4,203.925 142.475,203.925 141.025,205.375 141.025,207.45 136.1,207.45 136.1,206.275
no net on Top Layer "Top Layer-No Net" (solid, pour order 102): 138.7,206.275
no net on Top Layer "Top Layer-No Net 1" (solid, pour order 100): 138.7,206.275
+3.3 on Top Layer " " (solid, remove dead copper, pour order 98): 128.614,199.55 134.675,199.55 134.675,203.675 138.35,203.675 138.35,205.55 134.675,205.55 134.675,208.7 139.15,208.7 139.15,210.611 137.289,210.611 135.9,212 132.65,212 132.65,211.1 128.614,211.1
no net on Top Layer " " (solid, pour order 26): 174.336,174.322
no net on Top Layer " " (solid, pour order 16): 161.534,145.193
no net on Top Layer " " (solid, pour order 14): 141.595,139.152
no net on Top Layer " " (solid, pour order 12): 141.595,139.152
Contactor_Control_Line on Bottom Layer " " (solid, pour order 158): 180.965,137.635 180.93,145.616 185.191,149.878 185.191,166.178 177.978,166.178 177.978,154.813 172.949,149.784 172.949,137.635
System_Supply_Line on Bottom Layer " " (solid, pour order 156): 131.318,159.072 130.226,160.164 130.226,170.637 132.232,172.644 156.134,172.644 161.315,167.462 174.803,167.462 177.622,170.282 177.749,170.282 177.749,179.734 173.406,179.734 173.406,172.644 172.542,171.78 163.471,171.78 158.67,176.581 129.108,176.581 125.908,173.38 125.908,158.472 129.897,154.483 136.246,154.483 136.246,159.031 136.286,159.072
System_Supply_Line on Bottom Layer " " (solid, pour order 150): 132.853,137.705 132.875,142.918 131.318,144.475 131.318,159.072 136.286,159.072 136.286,151.572 140.629,147.229 140.629,137.705
NEUTRAL_P on Bottom Layer " " (solid, pour order 120): 154.788,137.617 154.788,159.487 148.522,159.487 146.101,157.065 146.101,137.617
NEUTRAL_N on Bottom Layer " " (solid, pour order 122): 159.505,137.566 159.505,159.436 166.133,159.436 168.554,157.014 168.554,137.566
+3.3 on Bottom Layer "Bottom Layer-+3.3" (solid, remove dead copper, pour order 108): 128.614,209.675 134.675,209.675 134.675,199.55 128.614,199.55
AGND on Bottom Layer "Bottom Layer-AGND" (solid, remove dead copper, pour order 116): 124.079,224.206 124.079,188.55 153.15,188.55 153.15,179.275 168.075,179.275 169.675,180.875 169.675,183.175 173.225,186.725 173.225,193.125 189.079,193.125 189.079,224.206
System_Supply_Line on Top Solder " " (solid, pour order 146): 132.853,137.705 132.875,142.918 131.318,144.475 131.318,159.072 136.286,159.072 136.286,151.572 140.629,147.229 140.629,137.705
NEUTRAL_P on Top Solder " " (solid, pour order 136): 154.788,137.617 154.788,159.487 148.522,159.487 146.101,157.065 146.101,137.617
NEUTRAL_N on Top Solder " " (solid, pour order 134): 159.505,137.566 159.505,159.436 166.133,159.436 168.554,157.014 168.554,137.566
Contactor_Control_Line on Bottom Solder " " (solid, pour order 132): 180.965,137.635 180.93,145.616 185.191,149.878 185.191,166.178 177.978,166.178 177.978,154.813 172.949,149.784 172.949,137.635
System_Supply_Line on Bottom Solder " " (solid, pour order 154): 131.318,159.072 130.226,160.164 130.226,170.637 132.232,172.644 156.134,172.644 161.315,167.462 174.803,167.462 177.622,170.282 177.749,170.282 177.749,179.734 173.406,179.734 173.406,172.644 172.542,171.78 163.471,171.78 158.67,176.581 129.108,176.581 125.908,173.38 125.908,158.472 129.897,154.483 136.246,154.483 136.246,159.031 136.286,159.072
no net on Bottom Solder " " (solid, pour order 148): 132.853,137.705 132.875,142.918 131.318,144.475 131.318,159.072 136.286,159.072 136.286,151.572 140.629,147.229 140.629,137.705
NEUTRAL_P on Bottom Solder " " (solid, pour order 140): 154.788,137.617 154.788,159.487 148.522,159.487 146.101,157.065 146.101,137.617
NEUTRAL_N on Bottom Solder " " (solid, pour order 138): 159.505,137.566 159.505,159.436 166.133,159.436 168.554,157.014 168.554,137.566

## Keep-outs
Keep-Out Layer:
  lines w0.254: 154.65,160.4 154.65,160.4 ; 154.65,160.4 151.65,160.4 151.65,169.425 140.275,169.425 140.275,171.675 154.65,171.675 154.65,160.4 ; 171.241,181.932 172.873,181.932 172.873,173.4 171.241,173.4 171.241,181.932 ; 171.241,181.932 171.241,180.3 179.773,180.3 179.773,181.932 ; 171.241,181.932 179.773,181.932 ; 179.773,181.932 178.141,181.932 178.141,173.4 179.773,173.4 179.773,181.932 ; 124.079,136.225 189.079,136.225 189.079,224.206 124.079,224.206 124.079,136.225 ; 137.7,163.754 137.7,169.175 138.8,169.175 138.8,164.775 146.025,164.775 146.025,159.525 144.475,159.525 144.475,163.754 137.7,163.754 ; 142.268,137.908 142.268,154.133 144.493,154.133 144.493,137.908 142.268,137.908 ; 156.197,137.685 158.422,137.685 158.422,153.314 156.197,153.314 156.197,137.685 ; 169.341,137.634 169.341,153.859 171.566,153.859 171.566,137.634 169.341,137.634

## Other copper
Top Layer:
  region: 154.865,152.56
  region: 140.808,151.945
  region: 136.312,156.898
Multi-Layer:
  pour cut-out: 185.143,136.35 cw(c185.143,140.35) 181.143,140.35 cw(c185.143,140.35) 185.143,144.35 cw(c185.143,140.35) 189.143,140.35 cw(c185.143,140.35)
  pour cut-out: 128.468,136.575 cw(c128.468,140.575) 124.468,140.575 cw(c128.468,140.575) 128.468,144.575 cw(c128.468,140.575) 132.468,140.575 cw(c128.468,140.575)
  pour cut-out: 128.092,216.193 cw(c128.092,220.193) 124.092,220.193 cw(c128.092,220.193) 128.092,224.193 cw(c128.092,220.193) 132.092,220.193 cw(c128.092,220.193)

## Silkscreen, mask and mechanical layers (free items; w line width, h text height)
Bottom Overlay:
  text "Home Automation / By: Magno Carvalho" at 180.825,218.2 h1.52 r90
Top Solder:
  region: 128.614,209.675 134.675,209.675 134.675,199.55 128.614,199.55
Bottom Solder:
  region: 128.614,209.675 134.675,209.675 134.675,199.55 128.614,199.55